# Altium PCB Unit-114.PcbDoc (continued)
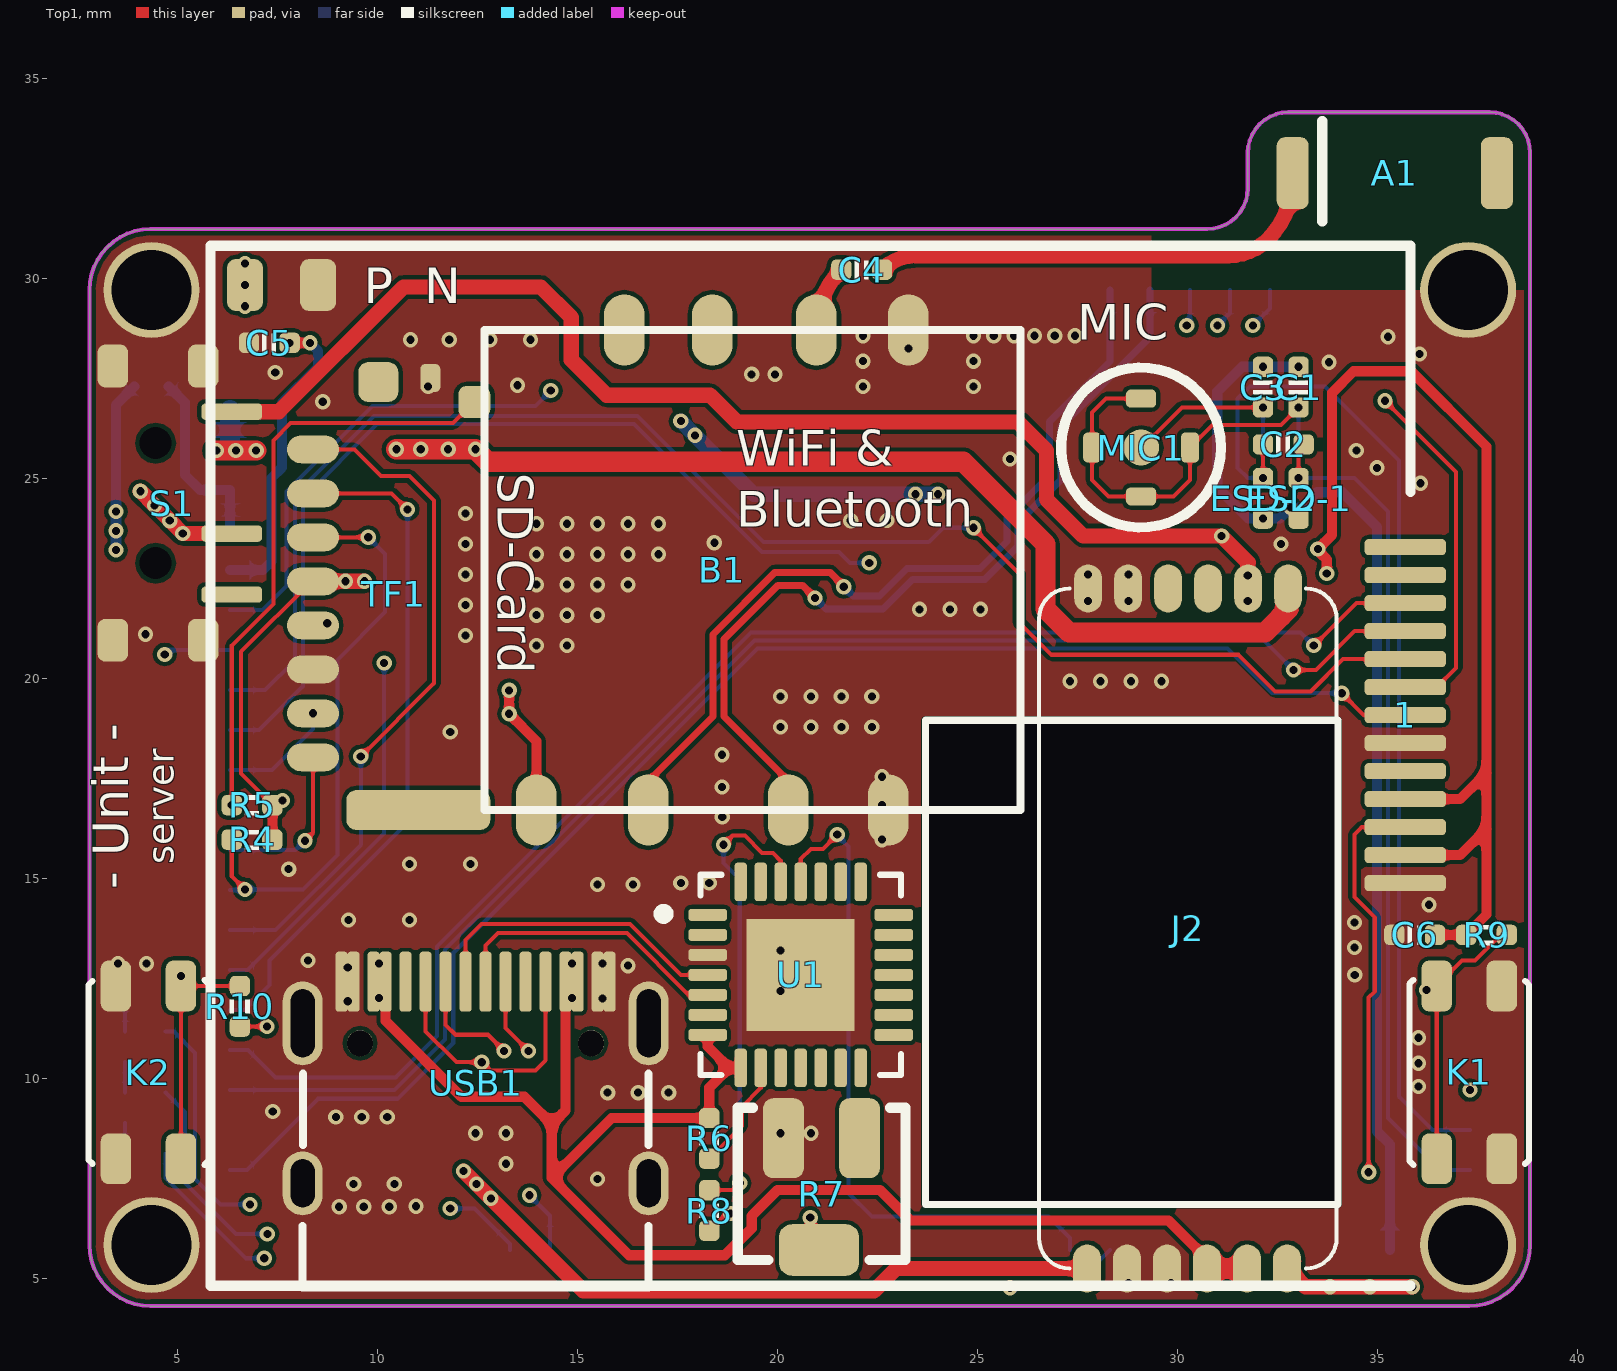
[diagram p0: Top1 view]
## Design rules (kind name [scope] priority, off if disabled: settings)
Clearance [All] p1: gap=0.102 ignorepadtopadclearanceinfootprint=FALSE except(0: Arc-Hole Track-Hole SMDPad-Hole THPad-Hole Via-Hole Fill-Hole Poly-Hole Region-Hole Text-Hole)
ComponentClearance [All] p1: gap=0 collisioncheckmode=3 verticalgap=0 showdistances=FALSE
DiffPairsRouting [All] p1: maxlimit=0.229 minlimit=0.229 mostfreqgap=0.229 toplayer_minwidth=0.381 toplayer_maxwidth=0.381 toplayer_prefwidth=0.381 midlayer1_minwidth=0.381 midlayer1_maxwidth=0.381 midlayer1_prefwidth=0.381 midlayer3_minwidth=0.381 midlayer3_maxwidth=0.381 midlayer3_prefwidth=0.381 bottomlayer_minwidth=0.381 bottomlayer_maxwidth=0.381 bottomlayer_prefwidth=0.381 maxuncoupledlength=12.7
FanoutControl Fanout_BGA [All] p1: bgadir=Out bgaviamode=Centered fanoutstyle=Auto fanoutdirection=Alternating viagrid=0.025 // Fanout_BGA (Default Rule)
HoleSize [All] p1: absolutevalues=TRUE maxlimit=254 minlimit=0.203 maxpercent=80.000 minpercent=20.000
MinimumSolderMaskSliver [All] p1 off: minsoldermaskwidth=0.051
PlaneClearance [All] p1: clearance=0.203
PlaneConnect [All] p1: planeconnectstyle=Direct reliefexpansion=0.508 reliefentries=4 reliefconductorwidth=0.254 reliefairgap=0.254
PolygonConnect [All] p1: connectstyle=Direct reliefconductorwidth=0.254 reliefentries=4 polygonreliefangle="90 Angle" airgapwidth=0.254
RoutingVias [All] p1: holewidth=0.203 width=0.406 viastyle="Through Hole" minholewidth=0.152 minwidth=0.305 maxholewidth=0.711 maxwidth=1.27
SilkToSilkClearance [All] p1: silktosilkclearance=0
SilkToSolderMaskClearance [IsPad] p1: minsilkscreentomaskgap=0 clearancetoexposedcopper=TRUE
SolderMaskExpansion [All] p1: expansion=0.076 istentingtop=FALSE
Width GND [(InNet('AGND') OR InNet('GND'))] p1: maxlimit=1.27 minlimit=0.102 preferedwidth=0.254
Width VCC [(InNet('VDD_SYS_3.3V') OR InNet('VDD_AV_3.3V') OR InNet('VDD_5V') OR InNet('VDD1V2-SYS') OR InNet('VDD1V1-EPHY') OR InNet('VDD-CPUX') OR InNet('VDD-CPUS') OR InNet('VDD-CPUFB') OR InNet('VCC-DRAM'))] p2: maxlimit=1.27 minlimit=0.102 preferedwidth=0.254
Width [All] p3: maxlimit=254 minlimit=0.102 preferedwidth=0.102
21 further rules are at their usual default settings.

## Components (designator, comment, footprint, x,y, rotation, side; value= is the part's Value field where it differs from the comment)
1 "LCD-240x135" LCD-240x135 35.687,19.091 r270 top
A1 "RAINSUN" ANT-Rainsun-AN5120 35.415,32.639 r0 top
B1 "RTL8723BU" USB-WIFI-BT-RTL8723BU 19.431,22.606 r270 top
C1 "33pF" CAP_0402 33.02,27.291 r270 top value=0.1u
C2 "100pF" CAP_0402 32.639,25.857 r0 top value=0.1u
C3 "33pF" CAP_0402 32.131,27.291 r270 top value=0.1u
C4 "10pF" CAP_0402 22.098,30.226 r180 top value=0.1u
C5 "10uF" CAP_0402 7.29,28.397 r0 top value=0.1u
C6 "1uF" CAP_0402 35.923,13.597 r180 top value=0.1u
D1 "color?" LED_0402_RED 4.191,8.89 r0 bottom
D2 "color?" LED_0402_YELLOW 4.191,10.414 r0 bottom
D3 "color?" LED_0402_BLUE 4.191,11.938 r0 bottom
ESD-1 "ESD-0402" ESD-0402 33.02,24.509 r270 top
ESD-2 "ESD-0402" ESD-0402 32.131,24.511 r90 top
J1 "Core" QUANTUM-QUARK 37.304,5.718 r180 bottom locked
J2 "Power" QUANTUM-GLUON 26.353,5.258 r0 top locked
J3 "跳线" 0402-0R 4.343,27.305 r180 bottom
K1 "TACT 4P" ButtonTACT_3.5*3.55_90 37.287,10.16 r270 top value=3.4x3.5
K2 "TACT 4P" ButtonTACT_3.5*3.55_90 4.267,10.16 r90 top value=3.4x3.5
MIC1 "MIC*" MIC-SMT 29.083,25.781 r270 top
R1 "4.7K" RES_0402 4.191,8.128 r180 bottom value=22R
R2 "4.7K" RES_0402 4.191,9.652 r180 bottom value=22R
R3 "10K" RES_0402 4.191,11.176 r180 bottom value=22R
R4 "47K" RES_0402 6.858,15.977 r180 top value=22R
R5 "47K" RES_0402 6.858,16.84 r180 top value=22R
R6 "10K" RES_0402 18.288,8.509 r270 top value=22R
R7 "2K" "贴片电位器 3*3" 20.904,6.735 r270 top
R8 "200R" RES_0402 18.288,6.706 r90 top value=22R
R9 "10K" RES_0402 37.719,13.597 r180 top value=22R
R10 "10K" RES_0402 6.553,11.811 r270 top value=22R
S1 "SPDT 3P" SwitchSPDT_2.8X6.6_90 4.445,24.39 r270 top
TF1 "TF" "TF-SOCKET - short" 11.613,22.218 r0 top locked
U1 "CP2102" QFN-28 20.574,12.597 r0 top locked value=Value
USB1 "Type-C" Type-C-TOP 12.446,9.906 r270 top

## Footprints (in the part's own frame and the unit in brackets; to place one, negate y for a bottom-side part, rotate by r counter-clockwise, add the part's x,y. Pads: shape width x height; smd on the part's side, far side on the other; paste and mask are expansions set on the pad)
0402-0R [mm] "选择焊盘"
  rect 0.5x0.5 smd: 1(-0.432,0) 2(0.432,0)
  silkscreen extent -0.84,-0.46 0.84,0.46
ANT-Rainsun-AN5120 [mm] "选择焊盘"
  rrect50% 0.8x1.8 smd: 1(-2.54,0) ""(2.563,0)
  silkscreen extent -1.8,-1.2 -1.8,1.3, body extent -2.57,-0.91 2.54,0.94, height 1.32
ButtonTACT_3.5*3.55_90 [mil]
  rrect50% 50x30 smd: 1(-85,32) 2(-85,-32) 3(85,32) 4(85,-32)
  silkscreen extent -91,-59 91,59, body extent -90,-55 91,85, height 56
CAP_0402 [mil]
  rrect50% 20x20 smd: 1(-20,0) 2(20,0)
  silkscreen extent -7,-9 7,9, body extent -20,-10 20,10, height 20
ESD-0402 [mil]
  rrect50% 20x20 smd: 1(-20,0) 2(20,0)
  body extent -20,-10 20,10, height 14
LCD-240x135 [mm]
  rrect50% 0.4x2.032 smd: 1(-4.2,0) 2(-3.5,0) 3(-2.8,0) 4(-2.1,0) 5(-1.4,0) 6(-0.7,0) 7(0,0) 8(0.7,0) 9(1.4,0) 10(2.1,0) 11(2.8,0) 12(3.5,0) 13(4.2,0)
LED_0402_BLUE [mil]
  rrect50% 20x20 smd: 1(-20,0) 2(20,0)
  silkscreen extent -6,-10 6,10, body extent -20,-10 20,10, height 18
LED_0402_RED [mil]
  rrect50% 20x20 smd: 1(-20,0) 2(20,0)
  silkscreen extent -6,-10 6,10, body extent -20,-10 20,10, height 18
LED_0402_YELLOW [mil]
  rrect50% 20x20 smd: 1(-20,0) 2(20,0)
  silkscreen extent -6,-10 6,10, body extent -20,-10 20,10, height 18
MIC-SMT [mm]
  rrect50% 0.45x0.75 smd: 1(-1.223,0) 1(1.223,0)
  rrect50% 0.75x0.45 smd: 1(0,1.223) 1(0,-1.223)
  round 0.9 smd: 2(0,0)
  silkscreen extent -2,-2 2,2
QFN-28 [mil]
  rrect50% 38x12 smd mask+5: 1(-91.5,59.06) 2(-91.5,39.37) 3(-91.5,19.68) 4(-91.5,0) 5(-91.5,-19.69) 6(-91.5,-39.37) 7(-91.5,-59.06) 15(91.5,-59.06) 16(91.5,-39.37) 17(91.5,-19.69) 18(91.5,0) 19(91.5,19.68) 20(91.5,39.37) 21(91.5,59.06)
  rrect50% 12x38 smd mask+5: 8(-59.06,-91.5) 9(-39.37,-91.5) 10(-19.68,-91.5) 11(0,-91.5) 12(19.69,-91.5) 13(39.37,-91.5) 14(59.06,-91.5) 22(59.06,91.5) 23(39.37,91.5) 24(19.69,91.5) 25(0,91.5) 26(-19.68,91.5) 27(-39.37,91.5) 28(-59.06,91.5)
  rect 106.3x110.24 smd: 29(0,0)
  silkscreen extent -140,-98 98,98, body extent -98,-98 98,98, height 35
QUANTUM-GLUON [mm]
  oval 0.7x1.2 smd: 1(1.408,17) 2(2.408,17) 3(3.408,17) 4(4.408,17) 5(5.408,17) 6(6.408,17) 7(6.381,0) 8(5.381,0) 9(4.381,0) 10(3.381,0) 11(2.381,0) 12(1.381,0)
  silkscreen extent 0.18,0 7.62,17, body extent 0.18,0 7.62,17, height 2.2
QUANTUM-QUARK [mm]
  oval 1.2x0.7 smd: 1(0,22) 2(0,21) 3(0,20) 4(0,19) 5(0,18) 6(0,17) 7(0,16) 8(0,15) 9(0,14) 10(0,13) 11(0,12) 12(0,11) 13(0,10) 14(0,9) 15(0,8) 16(0,7) 17(0,6) 18(0,5) 19(0,4) 20(0,3) 21(0,2) 50(31,2) 51(31,3) 52(31,4) 53(31,5) 54(31,6) 55(31,7) 56(31,8) 57(31,9) 58(31,10) 59(31,11) 60(31,12) 61(31,13) 62(31,14) 63(31,15) 64(31,16) 65(31,17) 66(31,18) 67(31,19) 68(31,20) 69(31,21) 70(31,22)
  oval 0.7x1.2 smd: 22(2,0) 23(3,0) 24(4,0) 25(5,0) 26(6,0) 27(7,0) 28(8,0) 29(9,0) 30(10,0) 31(11,0) 32(12,0) 33(13,0) 34(14,0) 35(15,0) 36(16,0) 37(17,0) 38(18,0) 39(19,0) 40(20,0) 41(21,0) 42(22,0) 43(23,0) 44(24,0) 45(25,0) 46(26,0) 47(27,0) 48(28,0) 49(29,0) 71(29,24) 72(28,24) 73(27,24) 74(26,24) 75(25,24) 76(24,24) 77(23,24) 78(22,24) 79(21,24) 80(20,24) 81(19,24) 82(18,24) 83(17,24) 84(16,24) 85(15,24) 86(14,24) 87(13,24) 88(12,24) 89(11,24) 90(10,24) 91(9,24) 92(8,24) 93(7,24) 94(6,24) 95(5,24) 96(4,24) 97(3,24) 98(2,24)
  Keep-Out Layer board cut-out: 3.302,1.141 13.614,1.141 13.614,13.244 3.302,13.244
  silkscreen extent 0,0.04 31,24.04, body extent 0,0 31,24, height 2.56
RES_0402 [mil]
  rrect50% 20x20 smd: 1(-20,0) 2(20,0)
  silkscreen extent -7,-10 7,10, body extent -20,-10 20,10, height 14
SwitchSPDT_2.8X6.6_90 [mil]
  rrect50% 42x30 smd: 0(-135,-42) 0(-135,47) 0(135,-42) 0(135,47)
  round 10 hole 31.5: 0(-59.06,0) 0(59.06,0)
  rrect50% 16x60 smd: 1(90,75) 2(30,75) 3(-90,75)
  body extent -152,-111 151,86, height 55
"TF-SOCKET - short" [mm]
  oval 1.3x0.7 smd: 1(-3.231,3.518) 2(-3.231,2.418) 3(-3.231,1.318) 4(-3.231,0.218) 5(-3.231,-0.882) 6(-3.231,-1.982) 7(-3.231,-3.082) 8(-3.231,-4.182)
  rrect50% 0.8x0.8 smd: 9(0.8,4.7)
  rrect50% 0.5x0.7 smd: 10(-0.3,5.3)
  rrect50% 1x1 smd: ""(-1.6,5.2)
  rrect50% 3.6x1 smd: ""(-0.6,-5.5)
  body extent -4.51,-5.74 0.94,5.66, height 2.27
Type-C-TOP [mm]
  round 0.65 hole 0.65: 0(-0.98,2.89) 0(-0.98,-2.89)
  oval 1.6x1 hole 0.6 slot 1.2 at 0 deg: 1(2.52,4.325) 2(2.52,-4.325)
  oval 2.1x1 hole 0.6 slot 1.7 at 0 deg: 3(-1.48,-4.325) 4(-1.48,4.325)
  rrect50% 1.5x0.3 smd: A1(-2.52,-3.35) A4(-2.52,-2.55) A5(-2.52,-1.25) A6(-2.52,-0.25) A7(-2.52,0.25) A8(-2.52,1.25) A9(-2.52,2.55) A12(-2.52,3.35) B1(-2.52,3.05) B4(-2.52,2.25) B5(-2.52,1.75) B6(-2.52,0.75) B7(-2.52,-0.75) B8(-2.52,-1.75) B9(-2.52,-2.25) B12(-2.52,-3.05)
  silkscreen extent -0.22,-4.33 5.12,4.33, body extent -2.64,-4.48 5.26,4.46, height 3.28
USB-WIFI-BT-RTL8723BU [mil]
  oval 70x40 smd: 1(-240.63,150.94) 2(-240.63,60.39) 3(-240.63,-41.97) 4(-240.63,-128.58) 5(231.81,-215.2) 6(231.81,-104.96) 7(231.81,32.83) 8(231.81,131.26)
  silkscreen extent -241,-266 232,261, body extent -239,-264 234,263, height 55
"贴片电位器 3*3" [mil]
  rrect50% 78.74x40.18 smd: 1(-70,45) 2(-70,-30)
  rrect50% 50.74x78.74 smd: 3(40,5)
  silkscreen extent -100,-75 50,90, body extent -100,-53 50,69, height 64

## Part data
1: "显示屏"
A1: library part ANT-Rainsun-AP5120
B1: library part USB-WiFi-BT-RTL8723BU
C1 C2 C3 C4 C5 C6: library part 电容-0402, "Capacitor"
D1 D2 D3: library part LED_0402, "LED", Type=0402
ESD-1 ESD-2: "ESD"
J1: library part Quantum-Quark-Core
J2: library part Quantum-Gluon-Power
J3: "Resistor", LatestRevisionDate=17-Jul-2002, LatestRevisionNote="Re-released for DXP Platform.", PackageDescription="Axial Device, Thru-Hole; 2 Leads; 0.4 in Pin Spacing", PackageReference=AXIAL-0.4, Published=8-Jun-2000, Publisher="Altium Limited"
K1 K2: library part ButtonTACT, "Button", Type="TACT 4P"
MIC1: library part MIC
R1 R2 R3 R4 R5 R6 R8 R9 R10: library part 电阻-0402, "Resistor"
R7: library part 电位器-贴片, ComponentLink1Description="Manufacturer Link", ComponentLink1URL=http://bourns.com/2/search.html, DatasheetVersion=Oct-2003, PackageDescription="Square Trimming Potentiometer", PackageReference=POT4MM-2, Published=17-Dec-2003, Publisher="Altium Limited"
S1: library part SwitchSPDT_2.8x6.6_90, "Switch", Type=SPDT
TF1: library part TF卡座, "8脚自弹"
U1: "USB转TTL", MFG #1="SILICON LABS", PART DESC="SINGLE-CHIP USB TO UART BRIDGE, QFN28, RoHS.", PART NUMBER=CP2102, RefDes=RefDes, Type=DEV
USB1: library part USB-Type-C-TOP

## Free pads (board coordinates)
  round 2.4 hole 2: ""(4.343,5.842) ""(4.343,29.718) ""(37.262,5.842) ""(37.262,29.718)
  rrect50% 0.9x1.3 smd: ""(6.68,29.845) ""(8.509,29.845)

## Via types
v1: diameter 0.381, hole 0.203, Top1 to Bottom4, tented both sides, 223 vias

## Nets (pads, with @x,y where several pads share a name; then routed paths per layer and width w, separated by ;. In a path a pad name is that pad's centre, name@x,y a point inside that pad or via, vN(x,y) a via of type N, cw(c..) or ccw(c..) an arc to the next point about the centre after c; other vN are vias at no path point)
AGND: C1.1 C3.1 ESD-1.2 ESD-2.1 J1.22 | length 27.8
  Bottom4 w0.254: v1(33.02,27.799) v1(32.131,27.799) 31.609,27.799 30.988,27.178 30.988,24.79 31.775,24.003 v1(32.131,24.003) 32.537,24.003 v1(32.817,24.282) 33.096,24.282 33.477,24.663 34.112,24.663 34.978,23.797 34.978,8.684 35.304,8.359 J1.22
CP_RX: J1.30 U1.25 | length 17.1
  Top1 w0.102: U1.25 20.574,15.494 20.828,15.748 21.129,15.748 v1(21.488,16.108)
  Bottom4 w0.102: v1@21.463,16.108 21.768,15.803 21.768,7.137 22.352,6.553 26.772,6.553 27.304,6.021 J1.30
CP_TX: J1.29 R8.1 | length 11.4
  Top1 w0.102: R8.1 18.72,6.629 v1(18.821,6.629)
  Signal3 w0.102: v1(18.821,6.629) 19.71,6.629 21.565,4.775 v1(25.806,4.775)
  Bottom4 w0.102: v1(25.806,4.775) 27.361,4.775 J1.29
GND: 1.8 1.13 B1.1 B1.8 C5.1 C6.2 D1.2 D2.2 D3.2 J1.45 J1.46 J1.47 J1.48 J1.49 J1.70 J2.1 J2.2 J2.10 J2.11 K1.1 K1.3 K2.1 K2.3 pad.@4.343,5.842 pad.@4.343,29.718 pad.@8.509,29.845 pad.@37.262,5.842 pad.@37.262,29.718 R7.2 S1.0@3.378,20.961 S1.0@3.378,27.819 S1.0@5.639,20.961 S1.0@5.639,27.819 TF1.6 TF1.10 U1.3 U1.29 USB1.1 USB1.2 USB1.3 USB1.4 USB1.A1 USB1.A12 USB1.B1 USB1.B12
  other v1: 28.772,4.889 29.833,4.889 9.035,6.8 9.649,6.8 10.287,6.799 10.955,6.811 9.398,7.366 10.414,7.366 15.494,7.493 13.208,7.874 12.446,8.636 13.208,8.636 20.066,8.636 20.828,8.636 8.952,9.042 9.601,9.045 10.236,9.045 7.373,9.182 15.748,9.652 16.51,9.652 17.272,9.652 36.017,9.804 36.017,10.389 36.017,11.024 9.248,11.938 15.621,12.007 20.066,12.192 34.424,12.597 9.248,12.784 16.256,12.827 3.505,12.878 4.216,12.878 15.621,12.878 8.255,12.954 20.066,13.208 34.419,13.283 34.419,13.907 9.271,13.97 10.795,13.97 36.284,14.351 15.494,14.859 16.383,14.859 17.577,14.894 18.288,14.894 7.772,15.24 10.795,15.367 12.319,15.367 22.606,15.977 18.611,16.542 22.606,16.84 18.605,17.293 22.606,17.551 18.605,18.1 11.811,18.669 20.066,18.796 20.828,18.796 21.59,18.796 22.352,18.796 20.066,19.558 20.828,19.558 21.59,19.558 22.352,19.558 27.305,19.936 28.067,19.939 28.829,19.939 29.591,19.939 13.97,20.828 14.732,20.828 12.192,21.082 4.191,21.112 13.97,21.59 14.732,21.59 15.494,21.59 23.546,21.735 24.308,21.735 25.07,21.735 12.192,21.844 27.759,21.946 28.772,21.946 13.97,22.352 14.732,22.352 15.494,22.352 16.256,22.352 12.192,22.606 27.759,22.606 28.772,22.606 13.97,23.114 14.732,23.114 15.494,23.114 16.256,23.114 17.018,23.114 12.192,23.368 32.582,23.368 18.415,23.401 13.97,23.876 14.732,23.876 15.494,23.876 16.256,23.876 17.018,23.876 21.823,23.952 22.733,23.956 12.192,24.13 36.068,24.888 34.983,25.273 25.806,25.494 34.464,25.705 8.624,26.924 11.26,27.305 22.128,27.305 24.892,27.305 13.494,27.337 19.348,27.61 19.928,27.61 7.438,27.657 33.782,27.913 22.128,27.94 24.892,27.94 36.043,28.118 23.264,28.259 10.82,28.473 11.786,28.473 12.802,28.473 13.818,28.473 35.255,28.55 22.128,28.575 24.892,28.575 25.4,28.575 25.908,28.575 26.416,28.575 26.924,28.575 27.432,28.575
KEY1: J1.64 K1.2 K1.4 R9.1 | length 69.9
  Top1 w0.102: K1.4 K1.2 37.109,12.954 37.426,12.954 R9.1@38.069,13.597
  Signal3 w0.102: v1(14.326,27.203) 14.808,27.203 17.755,24.257 17.755,22.164 13.716,18.126 13.716,12.421 12.014,10.719 12.014,9.83 12.446,9.398 13.792,9.398 14.656,8.534 19.294,8.534 20.796,7.032 22.78,7.032 23.462,6.35 34.127,6.35 34.392,6.614 34.392,10.389 v1(36.22,12.217)
  Bottom4 w0.102: J1.64 7.117,21.718 7.722,22.323 7.722,24.677 9.868,26.822 13.945,26.822 v1(14.326,27.203)
KEY2: J1.63 K2.2 K2.4 R10.1 | length 19
  Top1 w0.102: K2.2 K2.4 R10.1
  Signal3 w0.102: v1(4.674,20.607) 5.86,20.607 6.96,19.507 6.96,15.291 7.278,14.973 7.278,13.33 6.521,12.573 v1(5.08,12.573)
  Bottom4 w0.102: v1(4.674,20.607) 4.785,20.718 J1.63
LCD_CS: 1.7 J1.50 | length 36.8
  Top1 w0.102: v1(34.1,19.638) 34.647,19.091 1.7
  Bottom4 w0.102: J1.50 6.727,7.718 8.509,9.5 10.49,9.5 11.887,10.897 11.887,13.141 19.498,20.752 31.242,20.752 32.355,19.638 v1(34.1,19.638)
LCD_RES: 1.6 J1.61 | length 50.4
  Top1 w0.102: v1(35.179,26.949) 36.957,25.171 36.957,20.273 36.475,19.791 1.6
  Signal3 w0.102: v1(22.288,22.898) 22.695,22.898 23.355,23.558 23.355,24.016 22.809,24.562 22.809,25.539 23.204,25.933 29.39,25.933 31.854,28.398 34.479,28.398 35.179,27.698 v1(35.179,26.949)
  Bottom4 w0.102: J1.61 7.034,18.718 8.129,19.813 8.129,24.508 9.986,26.365 16.408,26.365 19.609,23.165 21.535,23.165 21.802,22.898 v1(22.288,22.898)
LCD_RS: 1.5 J1.62 | length 38.8
  Top1 w0.102: v1(24.892,23.774) 26.035,22.631 26.035,21.412 26.848,20.599 31.521,20.599 32.436,19.685 33.325,19.685 34.131,20.491 1.5
  Bottom4 w0.102: J1.62 7.183,19.718 7.926,20.46 7.926,24.593 9.901,26.568 16.493,26.568 19.642,23.419 23.775,23.419 24.131,23.774 v1(24.892,23.774)
LCD_SCL: 1.4 J1.52 | length 36.1
  Top1 w0.102: v1(32.893,20.218) 33.452,20.218 34.424,21.191 1.4
  Bottom4 w0.102: J1.52 10.421,9.718 11.684,10.981 11.684,13.225 19.414,20.955 32.156,20.955 v1(32.893,20.218)
LCD_SDA: 1.3 J1.53 | length 36.2
  Top1 w0.102: v1(33.401,20.828) 34.464,21.891 1.3
  Bottom4 w0.102: J1.53 6.757,10.718 7.442,10.033 10.449,10.033 11.481,11.065 11.481,13.31 19.329,21.158 33.071,21.158 v1(33.401,20.828)
LEDK: 1.11 R7.3 | length 26.4
  Top1 w0.102: v1(34.773,7.664) 34.773,12.027 34.925,12.179 34.925,14.033 34.417,14.541 34.417,16.108 34.6,16.291 1.11
  Top1 w0.254: v1@20.831,6.531 20.831,6.075 20.963,5.944 R7.3@20.963,5.69
  Signal3 w0.102: v1@20.823,6.515 21.293,6.045 34.15,6.045 34.773,6.668 v1(34.773,7.664)
  other v1: 20.811,6.528
MICN: C1.2 C2.2 ESD-1.1 J1.21 MIC1.1 | length 32.6
  Top1 w0.102: MIC1.1@29.083,27.004 28.211,27.004 27.86,26.653 27.86,25.781 27.86,24.969 28.271,24.558 29.083,24.558 29.895,24.558 30.306,24.969 30.306,25.781 30.865,26.34 32.577,26.34 v1(33.02,26.783) ; v1(33.02,25.017) C2.2@33.02,25.73
  Bottom4 w0.102: v1(33.02,26.783) v1(33.02,25.017) 34.419,25.017 35.255,24.181 35.255,23.916 35.258,23.913 35.258,9.014 36.554,7.718 J1.21
MICP: C2.1 C3.2 ESD-2.2 J1.20 MIC1.2 | length 31.5
  Top1 w0.102: MIC1.2@29.095,25.77 30.108,26.783 v1(32.131,26.783) ; v1(32.131,25.019) C2.1
  Bottom4 w0.102: v1(32.131,26.783) v1(32.131,25.019) 31.75,25.019 31.496,25.273 31.496,27 31.801,27.305 33.68,27.305 35.535,25.451 35.535,9.55 36.367,8.718 J1.20
NetA1_1: A1.1 C4.1 | length 11.7
  Top1 w0.381: C4.1 cw(c23.455,29.377) 23.455,30.578 31.267,30.578 ccw(c31.267,31.979) 32.258,30.988 ccw(c30.769,32.477) 32.875,32.477 A1.1
NetB1_2: B1.2 C4.2 | length 1.7
  Top1 w0.381: B1.2 cw(c23.097,28.718) C4.2@21.589,30.225
NetD1_1: D1.1 R1.2 | length 0.8
  Bottom4 w0.102: R1.2 D1.1
NetD2_1: D2.1 R2.2 | length 0.8
  Bottom4 w0.102: R2.2 D2.1
NetD3_1: D3.1 R3.2 | length 0.8
  Bottom4 w0.102: R3.2 D3.1
NetJ1_66: J1.66 J1.67 J3.1 | length 4.7
  Bottom4 w0.254: J3.1 5.182,26.899 5.182,25.095 5.559,24.718 J1.67 J1.66
NetR6_2: R6.2 U1.9 | length 2.8
  Top1 w0.102: R6.2 19.101,8.814 19.101,9.296 19.574,9.77 U1.9
NetR8_2: R8.2 U1.26 | length 11.8
  Top1 w0.102: R8.2 18.872,7.214 v1(19.05,7.391) ; v1(18.644,15.85) 18.872,16.078 19.177,16.078 19.609,15.646 19.878,15.646 20.074,15.45 U1.26
  Bottom4 w0.102: v1(18.644,15.85) 18.644,15.392 19.05,14.986 v1(19.05,7.391)
PWR_STAT: J1.19 R2.1 | length 40.1
  Signal3 w0.102: v1(7.239,6.121) 7.645,5.715 17.069,5.715 17.983,6.629 17.983,7.341 18.593,7.95 19.38,7.95 20.32,7.01 20.32,6.312 20.917,5.715 34.138,5.715 36.195,7.772 36.195,8.609 v1(37.304,9.718)
  Bottom4 w0.102: R2.1 5.182,9.169 5.182,7.391 6.452,6.121 v1(7.239,6.121)
SDMMC_CLK: J1.55 TF1.5 | length 11.4
  Signal3 w0.102: v1(8.738,21.387) 9.169,21.387 v1(10.16,20.396)
  Bottom4 w0.102: J1.55 6.749,12.718 10.16,16.129 v1(10.16,20.396)
SDMMC_CMD: J1.57 R4.2 TF1.3 | length 14.4
  Top1 w0.102: R4.2 6.35,15.062 v1(6.68,14.732) ; TF1.3 v1(9.763,23.536)
  Bottom4 w0.102: J1.57 6.666,14.718 v1(6.68,14.732) 8.128,14.732 8.992,15.596 8.992,20.472 10.185,21.666 10.185,23.114 v1(9.763,23.536)
SDMMC_D0: J1.60 TF1.7 | length 2.9
  Bottom4 w0.102: J1.60 7.355,17.718 8.382,18.745 v1(8.382,19.136)
SDMMC_D1: J1.58 TF1.8 | length 4.1
  Top1 w0.102: v1(8.179,15.951) 8.382,16.154 TF1.8
  Bottom4 w0.102: J1.58 7.946,15.718 v1(8.179,15.951)
SDMMC_D2: J1.56 TF1.1 | length 17.1
  Top1 w0.102: TF1.1 9.418,25.736 10.084,25.07 10.795,25.07 11.405,24.46 11.405,19.888 v1(9.576,18.059)
  Bottom4 w0.102: J1.56 7.444,13.718 9.576,15.85 v1(9.576,18.059)
SDMMC_D3: J1.54 TF1.2 | length 17.1
  Top1 w0.102: TF1.2 10.34,24.636 v1(10.744,24.232)
  Bottom4 w0.102: J1.54 6.663,11.718 7.29,12.344 7.29,12.954 10.744,16.408 v1(10.744,24.232)
SDMMC_DET: J1.59 R5.2 TF1.9 | length 15
  Top1 w0.102: v1(6.35,16.84) 6.35,20.828 7.391,21.869 7.391,25.959 7.823,26.391 11.886,26.391 TF1.9
STATUS_LED: J1.44 R1.1 | length 12.5
  Signal3 w0.102: v1(7.163,5.512) 6.883,5.512 6.731,5.664 6.731,6.198 7.087,6.553 7.518,6.553 7.798,6.274 11.328,6.274 v1(11.811,6.756)
  Bottom4 w0.102: R1.1 4.699,7.518 6.706,5.512 v1(7.163,5.512) ; v1(11.811,6.756) 12.421,6.756 13.304,5.873 J1.44
USB0-DM: J1.93 USB1.B7 | length 32.3
  Top1 w0.102: USB1.B7 11.696,11.342 11.938,11.1 12.751,11.1 v1(13.157,10.693)
  Signal3 w0.102: v1(13.157,10.693) 13.589,11.125 13.919,11.125 14.072,11.278 14.072,18.085 22.53,26.543 27.939,26.543 v1(30.225,28.829)
  Bottom4 w0.102: v1(30.225,28.829) 30.304,28.908 J1.93
USB0-DP: J1.94 USB1.B6 | length 31.9
  Top1 w0.102: USB1.B6 13.196,11.264 v1(13.767,10.693)
  Signal3 w0.102: v1(13.767,10.693) 14.148,10.693 14.275,10.82 14.275,18.001 22.614,26.34 28.502,26.34 v1(30.991,28.829)
  Bottom4 w0.102: v1(30.991,28.829) 31.304,29.142 J1.94
USB0-OTGID: J1.95 USB1.A5 USB1.B5 | length 39.3
  Top1 w0.102: USB1.A5 11.196,11.181 11.963,10.414 v1(12.598,10.414) 12.802,10.211 13.945,10.211 14.196,10.462 USB1.B5
  Signal3 w0.102: v1(12.598,10.414) 12.929,10.084 14.097,10.084 14.478,10.465 14.478,17.916 22.698,26.137 29.185,26.137 v1(31.877,28.829)
  Bottom4 w0.102: v1(31.877,28.829) 32.304,29.256 J1.95
USB-CP-DM: U1.5 USB1.A7 | length 7.2
  Top1 w0.102: USB1.A7 12.696,13.331 13.005,13.64 16.231,13.64 17.773,12.097 U1.5
USB-CP-DP: U1.4 USB1.A6 | length 7.8
  Top1 w0.102: USB1.A6 12.196,13.466 12.598,13.868 16.307,13.868 17.578,12.597 U1.4
USB-WIFI-DM: B1.6 J1.91 | length 21.2
  Top1 w0.178: B1.6 16.765,17.44 18.377,19.052 18.377,21.104 19.925,22.652 21.312,22.652 21.651,22.313 v1(21.651,22.301)
  Bottom4 w0.178: v1(21.651,22.301) 21.88,22.073 22.547,22.073 23.233,22.758 25.06,22.758 25.729,23.428 25.729,24.015 26.797,25.082 26.797,26.426 28.304,27.933 J1.91
USB-WIFI-DP: B1.7 J1.92 | length 21.5
  Top1 w0.178: B1.7 20.265,17.444 18.656,19.053 18.656,20.988 20.003,22.336 20.616,22.336 v1(20.93,22.022)
  Bottom4 w0.178: v1(20.93,22.022) 21.209,21.742 22.631,21.742 23.368,22.479 25.176,22.479 26.009,23.312 26.009,23.899 27.076,24.966 27.076,26.31 29.304,28.538 J1.92
USR_LED: J1.43 R3.1 | length 16.7
  Signal3 w0.102: v1(6.807,6.858) 7.087,6.858 7.239,7.01 7.239,8.128 7.645,8.534 10.668,8.534 12.675,6.528 13.233,6.528 v1(13.792,7.087)
  Bottom4 w0.102: R3.1 4.902,11.176 5.436,10.642 5.436,7.493 6.071,6.858 v1(6.807,6.858) ; v1(13.792,7.087) 14.304,6.575 J1.43
VBAT: J2.5 J2.7 S1.3 | length 63.6
  Top1 w0.381: S1.3 7.524,26.676 10.643,29.794 14.075,29.794 14.84,29.029 14.84,27.97 15.721,27.089 18.303,27.089 18.976,26.416 26.01,26.416 26.721,25.705 26.721,24.486 27.635,23.571 v1(31.098,23.571) 31.761,22.908 31.75,22.898 v1(31.75,22.583) 31.75,22.268 J2.5 ; J2.7 33.191,4.801 v1(33.807,4.801) v1(34.798,4.801) v1(35.865,4.801)
  Signal3 w0.381: v1(31.098,23.571) 31.75,22.919 v1(31.75,22.583) v1(31.75,21.946) 32.258,21.438 36.22,21.438 37.948,19.71 37.948,8.941 34.798,5.791 ; v1(35.865,4.801) v1(34.798,4.801) ; v1(34.798,4.801) 34.798,5.791 ; v1(34.798,4.801) v1(33.807,4.801) 34.798,5.791
VBAT_IN: J2.12 pad.@6.68,29.845 S1.2 | length 48.4
  Top1 w0.381: v1(4.064,24.689) v1(4.42,24.333) v1(4.801,23.952) v1(5.125,23.628) S1.2 ; v1(12.141,7.696) v1(12.471,7.366) v1(12.827,7.01) 15.138,4.699 22.403,4.699 22.962,5.258 J2.12
  Signal3 w0.381: v1@6.68,30.277 v1(6.68,29.845) v1(6.68,29.312) 6.68,29.032 5.131,27.483 4.623,27.483 3.607,26.467 3.607,25.146 v1(4.064,24.689) v1(4.42,24.333) v1(4.801,23.952) v1(5.125,23.628) 11.506,17.247 11.506,8.331 v1(12.141,7.696) v1(12.471,7.366) v1(12.827,7.01)
  other v1: 6.68,30.378
VDD_3V3: 1.10 1.12 B1.5 C5.2 C6.1 J1.65 R4.1 R5.1 R9.2 R10.2 TF1.4 | length 103.9
  Top1 w0.102: R10.2 v1(7.229,11.303) ; R5.1 6.579,17.628 6.579,20.676 8.339,22.436 TF1.4
  Top1 w0.254: R4.1 R5.1 ; v1(7.798,28.397) v1(8.306,28.397) ; v1(13.284,19.71) v1(13.284,19.126) 13.965,18.445 B1.5 ; v1(33.723,22.631) 33.723,22.983 33.503,23.204 v1(33.503,23.241) 33.858,23.597 33.858,27.153 34.392,27.686 35.839,27.686 37.719,25.806 37.719,17.653 ; 1.12 37.054,15.591 37.719,16.256 ; 1.10 37.057,16.991 37.719,17.653 ; C6.1 R9.2 37.719,14.105 37.719,16.256 ; 37.719,16.256 37.719,17.653
  Top1 w0.381: TF1.4 v1(9.195,22.436) v1(9.67,22.436)
  Signal3 w0.102: v1(7.229,11.303) 7.229,12.747 8.357,13.875 8.357,14.986 8.814,15.443 8.814,16.307 8.165,16.956 v1(7.62,16.956)
  Signal3 w0.254: v1(13.284,19.126) v1(13.284,19.71) 12.738,20.256 11.849,20.256 v1(9.67,22.436) v1(9.195,22.436) 7.866,22.436 5.41,24.892 5.41,26.797 7.01,28.397 v1(7.798,28.397) v1(8.306,28.397) 8.763,27.94 16.078,27.94 v1(17.577,26.441) ; v1(33.503,23.241) 33.503,23.204 33.723,22.983 v1(33.723,22.631)
  Signal3 w0.381: v1(17.577,26.441) v1(17.932,26.086) ; v1(23.444,24.613) v1(24.003,24.613) 25.781,24.613 26.441,23.952 30.03,23.952 31.217,25.139 31.217,25.4 31.623,25.806 33.223,25.806 33.757,25.273 33.757,23.495 v1(33.503,23.241)
  Bottom4 w0.254: J1.65 7.132,22.718 7.343,22.928 7.343,25.017 7.603,25.278 7.603,26.889 8.509,27.795 8.509,28.194 v1(8.306,28.397) v1(7.798,28.397)
  Bottom4 w0.381: v1(17.577,26.441) v1(17.932,26.086) 19.406,24.613 v1(23.444,24.613) v1(24.003,24.613)
VDD_5V: J1.68 J1.69 J2.6 | length 34.3
  Top1 w0.508: v1(5.969,25.705) v1(6.452,25.705) v1(6.96,25.705) ; v1(10.465,25.736) v1(11.074,25.736) v1(11.76,25.736) v1(12.44,25.736) 12.751,25.425 24.638,25.425 26.695,23.368 26.695,21.742 27.28,21.158 32.182,21.158 32.761,21.737 J2.6
  Signal3 w0.508: v1(5.969,25.705) v1(6.452,25.705) v1(6.96,25.705) v1@12.409,25.705
  Bottom4 w0.508: J1.68 J1.69
VDD_USB_5V: J2.8 J2.9 J3.2 R6.1 U1.7 U1.8 USB1.A4 USB1.A9 USB1.B4 USB1.B9 | length 59.2
  Top1 w0.254: USB1.A4 USB1.B9 10.196,11.445 12.09,9.55 13.665,9.55 14.351,8.865 ; USB1.A9 USB1.B4 14.696,9.21 14.351,8.865 ; U1.7 18.25,10.805 18.782,10.273 ; U1.8 18.782,10.273 ; J2.9 30.734,5.488 29.764,6.459 23.311,6.459 22.548,7.221 19.997,7.221 19.348,6.572 19.348,6.262 18.673,5.588 16.281,5.588 14.351,7.518 ; 14.351,7.518 15.85,9.017 R6.1 18.288,9.779 18.782,10.273 ; 14.351,7.518 14.351,8.865
  Top1 w0.508: J2.9 J2.8
  Signal3 w0.254: v1(3.454,24.181) v1(3.454,23.698) v1(3.454,23.216) 3.454,22.733 4.648,21.539 6.045,21.539 7.493,20.091 7.493,18.694 10.033,16.154 v1(10.033,12.878) v1(10.033,12.014)
  Bottom4 w0.254: v1(3.454,23.216) v1(3.454,23.698) v1(3.454,24.181) 3.454,26.848 J3.2
  other v1: 14.859,12.014 14.859,12.878
pads on no net: 1.1 1.2 1.9 A1. B1.3 B1.4 J1.1 J1.2 J1.3 J1.4 J1.5 J1.6 J1.7 J1.8 J1.9 J1.10 J1.11 J1.12 J1.13 J1.14 J1.15 J1.16 J1.17 J1.18 J1.23 J1.24 J1.25 J1.26 J1.27 J1.28 J1.31 J1.32 J1.33 J1.34 J1.35 J1.36 J1.37 J1.38 J1.39 J1.40 J1.41 J1.42 J1.51 J1.71 J1.72 J1.73 J1.74 J1.75 J1.76 J1.77 J1.78 J1.79 J1.80 J1.81 J1.82 J1.83 J1.84 J1.85 J1.86 J1.87 J1.88 J1.89 J1.90 J1.96 J1.97 J1.98 J2.3 J2.4 R7.1 S1.0@4.445,22.89 S1.0@4.445,25.89 S1.1 TF1. U1.1 U1.2 U1.6 U1.10 U1.11 U1.12 U1.13 U1.14 U1.15 U1.16 U1.17 U1.18 U1.19 U1.20 U1.21 U1.22 U1.23 U1.24 U1.27 U1.28 USB1.0 USB1.A8 USB1.B8

## Polygon pours and split planes (outlines as drawn)
GND on GND2 "Signal3-GND" (solid, pour order 15): 2.794,4.318 38.811,4.318 38.811,31.242 2.794,31.242
GND on Signal3 "Signal3-GND" (solid, remove dead copper, pour order 8): 2.794,4.318 38.811,4.318 38.811,31.242 2.794,31.242
GND on Bottom4 "Bottom4-GND" (solid, remove dead copper, pour order 14): 2.794,31.242 38.811,31.242 38.811,4.318 2.794,4.318
GND on Top1 "Bottom4-GND" (solid, remove dead copper, pour order 12): 2.794,31.242 38.811,31.242 38.811,4.318 2.794,4.318

## Keep-outs
Keep-Out Layer:
  the board outline again, w0.102

## Other copper
Top1:
  pour cut-out: 29.337,35.306 39.751,35.306 39.751,29.718 29.337,29.718
Signal3:
  pour cut-out: 29.337,35.306 39.751,35.306 39.751,29.718 29.337,29.718
Bottom4:
  pour cut-out: 29.337,35.306 39.751,35.306 39.751,29.718 29.337,29.718

## Silkscreen, mask and mechanical layers (free items; w line width, h text height)
Top Overlay:
  lines w0.254: 35.817,4.826 5.817,4.826 5.817,30.826 35.817,30.826 35.817,24.666
  text "P  N" at 9.652,29.083 h1.52
  text "MIC" at 27.488,28.175 h1.52
  text "SD-Card" at 12.7,25.146 h1.52 r270
  text "WiFi & / Bluetooth" at 18.966,23.495 h1.52
  text "server" at 5.125,15.367 h1.14 r90
  text "- Unit -" at 4.064,14.732 h1.52 r90
Bottom Overlay:
  text "- Unit -" at 4.191,21.336 h1.52 r90
  text "server" at 5.182,20.701 h1.14 r90
  text "2020.12.6" at 5.207,16.891 h1.02 r90
  text "By Pzh" at 4.102,16.383 h1.02 r90
Mechanical 1:
  lines w0.178: 23.69,6.859 23.69,18.962 34.002,18.962 34.002,6.859 23.69,6.859
  lines w0.254: 2.794,5.842 ccw(c4.318,5.842) 4.318,4.318 37.287,4.318 ccw(c37.287,5.842) 38.811,5.842 38.811,33.147 ccw(c37.795,33.147) 37.795,34.163 32.766,34.163 ccw(c32.766,33.147) 31.75,33.147 31.75,32.258 cw(c30.734,32.258) 30.734,31.242 4.318,31.242 ccw(c4.318,29.718) 2.794,29.718 2.794,5.842
  text "板子形状定义为Mechanical 1层； /  / 中间方形槽要挖空； /  / 不要在板子正面加生产编号" at -4.216,36.906 h2.54